# KiCad board ButterStick.kicad_pcb (continued)
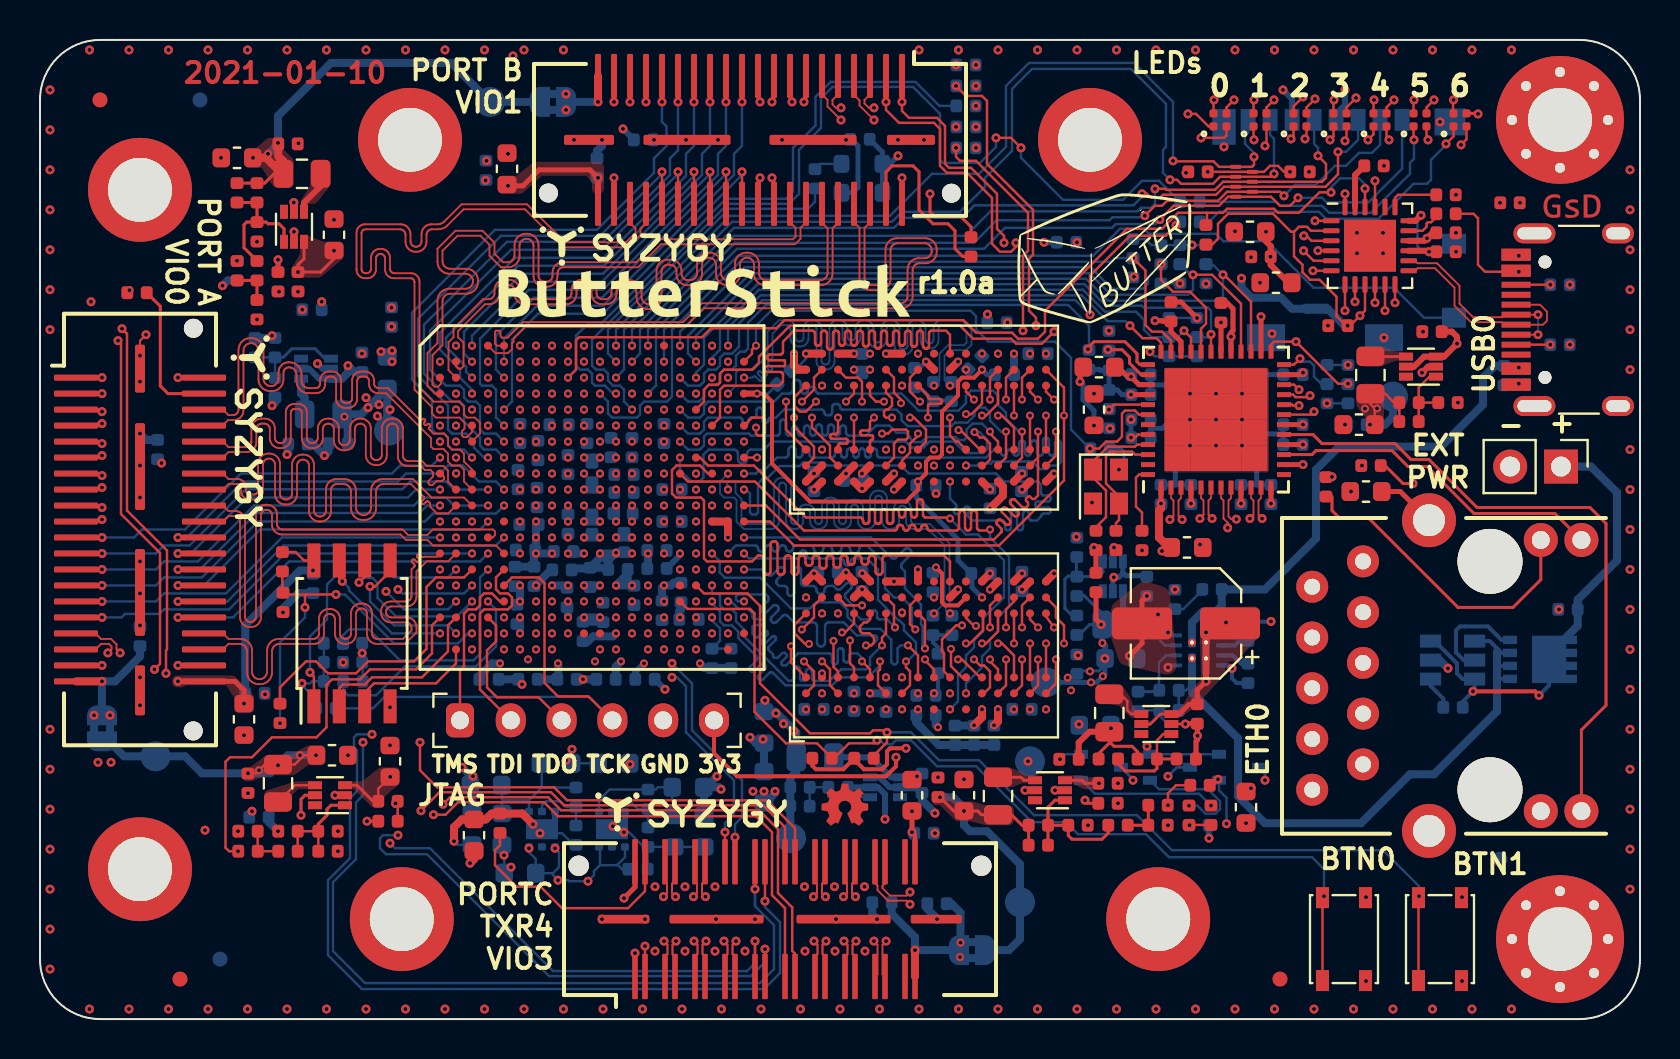
[diagram p0: board, top side]
## Nets (continued)
Net-(C166-Pad1): C166.1 C167.1 J7.1 Q4.3 U19.3 U19.6
Net-(C167-Pad2): C167.2 U19.1
Net-(CON1-Pad1): CON1.1 FB7.2
Net-(CON1-Pad12): CON1.12 R31.2
Net-(CON1-Pad13): CON1.13 U2.15
Net-(CON1-Pad14): CON1.14 R32.1
Net-(CON1-Pad15): CON1.15 U2.17
Net-(D1-Pad1): D1.1 R35.2
Net-(D2-Pad1): D2.1 R36.2
Net-(D3-Pad1): D3.1 R38.2
Net-(D4-Pad1): D4.1 R39.2
Net-(D5-Pad1): D5.1 R41.2
Net-(D6-Pad1): D6.1 R42.2
Net-(D7-Pad1): D7.1 R44.2
Net-(J1-PadA5): J1.A5 R7.1
Net-(J1-PadB5): J1.B5 R6.1
Net-(L3-Pad1): L3.1 U7.4
Net-(L4-Pad1): L4.1 U8.4
Net-(L5-Pad1): L5.1 U9.4
Net-(L6-Pad1): L6.1 U10.4
Net-(L7-Pad1): L7.1 U13.4
Net-(L8-Pad1): L8.1 U14.4
Net-(L9-Pad1): L9.1 U15.4
Net-(L10-Pad1): L10.1 U6.4
Net-(Q4-Pad1): Q4.1 U19.5
Net-(R4-Pad2): R4.2 U1.19
Net-(R5-Pad1): R5.1 U1.17
Net-(R30-Pad1): R30.1 U2.48
Net-(R52-Pad2): R52.2 U4.R3
Net-(R54-Pad1): R54.1 X1.3
Net-(R60-Pad1): R60.1 R73.2 U16.2
Net-(R68-Pad1): R68.1 U11.L8
Net-(R72-Pad1): R72.1 U12.L8
Net-(R74-Pad1): R74.1 R90.2 U17.2
Net-(R91-Pad1): R91.1 R92.2 U18.5
Net-(R95-Pad1): R95.1 R96.2 U18.4
Net-(R97-Pad2): R97.2 U18.10

Pads without a net: CON1 11; H1 1; H2 1; J1 A8 B8; J3 37 38; J4 37 38; J5 37 38; U1 20; U2 13 43 47; U4 A15 M5 T16 V3 W10 W11 W20 Y3 Y19; U6 6; U7 6; U8 6; U9 6; U10 6; U11 G8 J1 J9 L1 L9; U12 G8 J1 J9 L1 L9; U13 6; U14 6; U15 6; U16 5; U17 5

## Via types
v1: diameter 0.45, hole 0.2, Top to Bottom, 629 vias
v2: diameter 0.4, hole 0.2, Top to Bottom, 534 vias

## Routing (per net, layer and track width the routed paths; a pad name or vN(x,y) marks a point on that pad's centre or on a via; arc(x,y) is an arc through that point)
+1V2: length 55.8
  Top w0.12: v1(66.5,29.75) C83.1 66.74,30.56 66.52,30.78 L5.2 67.26,31.29 67.7,30.85 R63.2 C80.1
  Top w0.25: U2.14 v1(63.15,27.75) ; v1(63.15,29.75) U2.18 ; v1(63.15,32.35) 63.05,32.25 U2.23 ; U2.4 v1(57.55,25.8) ; 53.78,32.75 54.38,32.15 v1(54.55,32.15) 54.95,31.75 U2.39 ; U2.26 v1(61.05,35.15) ; U2.9 v1(60.05,25.8) ; U2.30 v1(59.05,34.86)
  In3.Cu w0.4: 58.8,25.8 v1(60.05,25.8) ; 58.8,25.8 58.8,27.45 59.1,27.75 v1(63.15,27.75) 65.15,27.75 66.5,29.1 66.5,29.3 ; 58.8,25.8 v1(57.55,25.8) ; v1(61.05,35.15) 61.05,34.8 60.75,34.5 ; 66.5,29.3 66.5,30.21 v2(66.85,30.56) ; 66.5,29.3 66.5,30.3 v2(66.25,30.55) ; 66.5,29.3 v1(66.5,29.75) ; 66.5,29.3 66,28.8 64.65,28.8 63.7,29.75 v1(63.15,29.75) 61.55,29.75 60.6,30.7 ; 60.75,34.5 60.38,34.86 v1(59.05,34.86) ; 60.75,34.5 60.75,33.55 61.95,32.35 ; v1(54.55,32.15) 55.4,32.15 56.85,30.7 60.6,30.7 ; 60.6,30.7 60.6,30.9 61.95,32.25 61.95,32.35 ; 61.95,32.35 v1(63.15,32.35)
  Bottom w0.12: v1(63.15,32.35) 63.13,32.33 C14.1
  Bottom w0.15: C13.1 54.56,32.16 v1(54.55,32.15) ; C86.1 67.25,29.75
  Bottom w0.4: TP7.1 67.65,30.15 67.25,29.75 v1(66.5,29.75)
+2V5: length 33.3
  In4.Cu w0.12: v2(31.2,29.7) 30.8,29.3 24.4,29.3 v2(24,29.7) ; v2(31.2,23.3) 30.8,23.7 24.4,23.7 v2(24,23.3)
  Bottom w0.12: C31.1 29.1,7.5 28.88,7.72 ; 28,7.7 27.7,7.4 27.7,7.2 v1(27.4,6.9) 26.45,6.9 26.4,6.95 v1(25.9,6.95) 25.65,7.2 25.65,7.3 ; 28,7.7 28,8.6 ; 28,7.7 28.85,7.7 28.88,7.72 ; v1(25.75,8.55) 25.95,8.35 25.95,7.6 25.65,7.3 ; 27.99,8.65 28,8.66 ; 29.25,8.6 29.25,8.1 28.88,7.72 ; 25.65,7.3 C55.1 24.79,8.01 24.45,8.35 v1(24.45,8.55)
  Bottom w0.4: TP1.1 37.51,9.08 R58.2 C54.1 37.51,12.06 37.81,12.36 L10.2 37.81,14.34 36.76,15.39 FB1.1 36.2,15.9 v1(36.25,15.95)
  vias: v1(36.8,15.3) v1(37.18,14.77) v1(37.7,14.4)
+3V3: length 90.7
  Top w0.12: v1(23.4,41.7) 23.35,41.75 C111.1 ; C70.1 v1(63.45,42.4) ; v1(57.3,42.35) 57.35,42.4 C66.1 ; R45.1 12.78,23.37 13.2,22.95 U5.8
  Top w0.15: R32.2 v1(66.1,27.7) ; 52.91,13 C79.1 52.93,13.28 53.5,13.85 ; 53.55,14.53 v1(53.55,14.55) 53.55,13.9 53.5,13.85 ; v1(60.55,11.55) 60.39,11.39 C72.1 ; 53.5,13.85 53.7,13.65 54.6,13.65 54.88,13.37 R61.2 54.88,13.2 ; C67.1 v1(73,40.85)
  Top w0.2: J6.6 33.7,13.3 34.85,12.15 42.3,12.15 42.8,12.65 v1(42.8,13.1) ; J5.40 43.75,9.2 v1(43.6,9.35) ; J4.40 v1(27.9,42.1) ; C118.1 v1(43.6,10.4)
  Top w0.25: v1(10.2,15.79) 10.2,16.45 9.75,16.9 J3.40 v1(6.9,16.9) ; v1(27.9,42.1) 27.5,42.5 24.95,42.5 24.15,41.7 v1(23.4,41.7) ; v1(63.15,28.75) U2.16 ; U2.12 v1(61.55,25.8) ; U2.1 v1(56.05,25.8) ; U2.34 57.05,33.9 56.55,34.4 C11.1 56.13,34.91 56.1,34.95 v1(55.75,34.95) ; U2.40 v1(54.55,31.25) ; v1(43.6,9.35) v1(43.6,10.4)
  Top w0.3: U1.16 69.22,38.95 v1(69.35,39.07) 69.62,39.35 C52.1 ; v1(56.1,23.42) 56.28,23.6 C65.1 ; FB5.1 v1(61,36.85) ; C85.1 51.94,13.83 52.48,14.38 L4.2
  Top w0.4: v1(56.05,25.8) 56.05,25.55 55.95,25.45 55.95,24.1 56.45,23.6 C65.1
  In3.Cu w0.4: v1(16.11,18.31) 16.11,15.66 14.85,14.4 12.95,14.4 12.45,13.9 12.09,13.9 v1(10.2,15.79) ; v1(43.6,9.35) v1(43.6,10.4) 43.6,11 42.8,11.8 v1(42.8,13.1)
  In4.Cu w0.4: v1(23.4,41.7) 23.4,42.3 24.07,42.97 24.07,45.15 23.65,45.57 v1(23.65,48.2)
  Bottom w0.12: R46.1 v1(16.11,18.31) R48.1 16.14,17.82 R50.1 ; v1(64.35,30.81) R13.2 ; R16.2 56.46,33.16 R11.2 55.73,33.17 v1(55.5,33.4) ; 58.3,36.78 v1(58.3,36.8) ; R10.2 54.66,37.11 v1(54.7,37.15) ; R17.2 v1(57,36.81) ; 34.05,14.95 J6.6
  Bottom w0.25: v1(54.55,31.25) 54.1,31.25 53.87,31.48 R8.2 R9.2 53.01,32.46 52.97,32.51 R19.2 ; X1.4 42.5,42.8 v1(42.9,43.2) ; X1.4 X1.1 ; X1.4 42.12,43.38 C151.1 ; C9.1 v1(63.15,28.75)
  Bottom w0.3: v1(58.45,9.05) 58.44,9.06 C153.1 ; TP6.1 v1(49.4,12.9)
  Bottom w0.4: v1(10.6,10.4) 10.47,10.26 C156.1 ; C152.1 9.39,36.96 v1(9.12,36.7) ; v1(13.65,22.45) 13,22.45 10.27,19.71 C71.1 10.27,16.11 10.2,16.05 v1(10.2,15.79) ; C154.1 v1(48.38,34.85) ; v2(26.4,23.3) v2(27.2,23.3)
  vias: v1(13.11,35.5) v1(64.6,27.13) v2(28,29.7) v2(28.8,29.7)
+5V: length 283.6
  Top w0.12: 55.81,15.06 56.01,15.26 U8.3 ; v1(17.51,12.12) 16.92,11.53 C98.1 ; J4.2 v1(43.1,42.1) ; J3.2 v1(6.9,32.1)
  Top w0.15: C98.1 16.65,10.9 15.85,11.7 U13.3 ; v1(14.7,38.45) 14.7,38.05 14.03,37.38 v1(12.9,37.38) 12.9,37.75 13.2,38.05 U14.3 ; C112.1 52.25,11.8 52.1,11.95 U15.3 ; U8.5 55.51,14.76 55.81,15.06
  Top w0.25: J5.2 29.75,6.6 v1(29.2,6.05) ; U8.3 56.97,15.26 57.45,15.75 C76.1 57.87,16.46 v1(58.3,16.9)
  Top w0.3: C77.1 70.6,34.4 70.85,34.15 v1(70.85,33.8) 70.2,33.15 U9.3 69.2,33.15 68.7,32.65 U9.5 ; v1(58.3,16.9) v1(58.3,19.35) U18.8
  Top w0.4: C117.1 21.7,8 v1(21.5,7.8)
  In3.Cu w0.3: v1(58.3,19.35) 58.8,19.85 ; 58.8,19.85 v1(59.3,19.85) ; 58.8,19.85 58.2,20.45 58.2,22.4
  In3.Cu w0.4: 14.7,37.25 v1(14.7,38.45) 13.8,39.35 13.8,40.25 14.4,40.85 19.9,40.85 21.7,42.65 21.7,46.3 22.55,47.15 43.55,47.15 44.1,46.6 44.1,45.35 43.75,45 42.65,45 42.05,44.4 42.05,42.75 42.7,42.1 v1(43.1,42.1) ; 14.7,37.25 13.9,37.25 13.77,37.38 v1(12.9,37.38) ; 14.7,37.25 15.35,36.6 15.35,34.15 ; 5.7,35.75 11.3,35.75 12.4,34.65 12.4,34.1 12.85,33.65 14.85,33.65 15.35,34.15 ; 5.7,35.75 6.3,35.15 6.3,32.7 v1(6.9,32.1) ; 5.7,35.75 3.9,35.75 1.5,33.35 1.5,13.25 1.9,12.85 v1(3.55,12.85) ; 67.03,26.27 69.3,28.55 69.3,30.75 70.55,32 70.55,33.5 v1(70.85,33.8) ; 67.03,26.27 65.65,24.9 64,24.9 63,23.9 61.5,23.9 60,22.4 55.56,22.4 55.34,22.19 54.19,22.19 54.11,22.11 v1(53.69,22.11) ; 67.03,26.27 67.03,24.22 68.4,22.85 68.4,12.8 62.7,7.1 58.9,7.1 57.65,8.35 53.3,8.35 52.7,7.75 51.75,7.75 ; 25.95,6.05 25.95,3.25 27.35,1.85 45.45,1.85 45.95,2.35 50.25,2.35 51.75,3.85 51.75,7.75 ; 46.95,2.35 46.95,4.8 46.1,5.65 46.1,8.8 44.75,10.15 v1(44.75,10.3) ; v1(29.2,6.05) 22.2,6.05 20.85,7.4 20.85,8.2 21.1,8.2 v1(21.5,7.8) ; v1(15.4,32.7) 15.35,32.75 15.35,34.15 ; v1(52.95,11.8) 52,11.8 51.45,11.25 51.45,8.05 51.75,7.75 ; U18.1 v1(58.3,19.35)
  In5.Cu w0.4: v1(2.9,12.85) v1(3.55,12.85) 7.4,12.85 12.65,7.6 15,7.6 15.65,8.25 18.55,8.25 ; 18.55,8.25 18.55,9.65 18.4,9.8 18.4,11.05 17.51,11.94 v1(17.51,12.12) ; 18.55,8.25 20,8.25 20.45,7.8 v1(21.5,7.8)
  Bottom w0.12: 55.34,22.17 55.34,22.19
  Bottom w0.15: 54.14,22.31 U7.3
  Bottom w0.25: U7.3 54.14,22.31 53.94,22.11 v1(53.69,22.11) 53.64,22.06 U7.5 ; 55.34,22.19 54.3,22.19 54.14,22.34
  Bottom w0.3: U18.8 U18.1 v1(58.3,16.9) ; U10.5 13.45,32.55 13.95,32.05 U10.3 ; U6.3 41.98,12.1 42.48,11.6 U6.5
  Bottom w0.4: U18.1 U18.8 ; U18.8 v1(58.3,19.35) ; U10.3 15.1,32.05 15.4,32.35 v1(15.4,32.7) 15.72,32.38 C78.1 ; U6.5 43.81,11.6 C29.1 44.1,10.95 v1(44.75,10.3)
/FPGA-MISC/VDDIO_EN: length 149.6
  Top w0.15: U13.5 13.25,11.2 13.05,11 v1(13.05,10.2) ; v1(52.25,10.95) 52.4,10.8 R86.2 ; R76.2 v1(16.35,9.9)
  Top w0.25: U14.5 12.7,40.86 v1(12.69,40.87) ; R81.2 v1(11.9,38) ; U15.5 v1(49.25,11.45)
  In2.Cu w0.12: v2(28.8,30.5) 28.4,30.1 27.03,30.1 26.82,29.9 26.82,29.47 26.65,29.3 23.05,29.3 22.8,29.05 22.8,28.7 22.6,28.5 22.22,28.5 21.8,28.92 21.8,29.35 21.05,30.1 20.62,30.1 20.4,30.32 20.4,30.65 19.6,31.45 18.8,31.45 17.88,32.37 17.08,32.37 16.75,32.7 16.1,32.7 14.05,34.75 11.3,34.75 11,34.45 10.6,34.45 10.4,34.65 10.4,37.25
  In2.Cu w0.15: v1(12.69,40.87) 13.1,40.46 13.1,38.35 12.75,38 v1(11.9,38) 11.15,37.25 3.9,37.25 v1(2.55,35.9) ; v1(13.05,10.2) 15.3,10.2 15.6,9.9 v1(16.35,9.9) 16.35,8.45 15.4,7.5 10.2,7.5 v1(8.25,9.45)
  In5.Cu w0.15: v1(2.55,35.9) 1.35,34.7 1.35,12.2 2.7,10.85 6.85,10.85 v1(8.25,9.45) 8.45,9.25 8.45,8 15.2,1.25 26.55,1.25 27.1,1.8 48.15,1.8 51.75,5.4 51.75,9.7 52.25,10.2 v1(52.25,10.95) 51.55,10.95 51.15,10.55 49.6,10.55 49.25,10.9 v1(49.25,11.45)
/sheetFPGA/VDDA: length 8
  In3.Cu w0.4: v2(24,20.9) v2(24,21.7) ; v2(31.2,21.7) v2(31.2,20.9)
  Bottom w0.3: v1(31.25,16.5) 30.75,17 C129.1
  Bottom w0.4: C59.1 33.2,11.59 FB2.2 ; C125.1 31.1,21.6 v2(31.2,21.7) 31.55,21.7 31.69,21.83 C62.1 ; FB2.2 33.95,11.6 v1(34.05,11.5) ; FB2.2 33.3,11.6 v1(33.85,12.15) ; v2(24,20.9) v2(24,21.7)
/sheetFPGA/VDDAUXA: length 16.2
  In3.Cu w0.4: v2(32.8,20.1) v2(33.6,20.1) ; v2(28,20.1) v2(27.2,20.1)
  In4.Cu w0.12: v1(36.15,14) 35.3,14.85 35.3,16.1 34,17.4 34,19.8 33.7,20.1 v2(33.6,20.1)
  Bottom w0.12: C126.1 C122.1 34,18.93 34,19.55 33.6,19.95 v2(33.6,20.1)
  Bottom w0.4: C124.1 28.13,19.88 C60.1 28.15,19.95 v2(28,20.1) v2(27.2,20.1) ; FB1.2 35.79,13.81 v1(35.5,14.1) ; FB1.2 36.2,13.95 v1(36.15,14) ; FB1.2 C58.1
/sheetFPGA/VDDRX: length 22.4
  In3.Cu w0.4: v2(29.6,21.7) v2(28.8,21.7) ; v2(26.4,21.7) v2(25.6,21.7)
  In4.Cu w0.12: 24.85,13.5 25.4,12.95 v1(26.3,12.95) ; 24.85,13.5 v1(26.6,13.5) ; 24.85,13.5 24.85,16.4 25.45,17 ; 25.45,17 25.2,17.25 25.2,21.2 25.6,21.6 v2(25.6,21.7) ; 25.45,17 v1(27.15,17)
  Bottom w0.12: v1(26.6,13.5) 26.59,13.49 FB3.2 ; v1(26.3,12.95) 26.45,12.8 FB3.2 ; FB3.2 28.01,12.8
  Bottom w0.4: C136.1 v1(27.15,17) 26.88,17 ; v2(26.4,21.7) v2(25.6,21.7) ; 29.38,22.5 29.38,22.28 v2(28.8,21.7) v2(29.6,21.7) 29.38,21.91 29.38,22.5
/sheetFPGA/VDDTX: length 23.6
  In3.Cu w0.4: v2(28,21.7) v2(27.2,21.7)
  In4.Cu w0.12: v1(21.1,12.6) 21.75,12.6 22.3,13.15 ; v1(21.65,12.15) 22.3,12.8 22.3,13.15 ; 22.3,13.15 22.3,15.7 23.35,16.75 v1(24.1,16.75) 22.95,16.75 22,17.7 22,19.7 23.1,20.8 23.1,21.9 23.5,22.3 24.3,22.3 24.8,21.8 v2(24.8,21.7)
  Bottom w0.4: v1(21.1,12.6) 21.51,12.19 FB4.2 ; v1(21.65,12.15) 21.51,12.01 FB4.2 ; v2(28,21.7) v2(27.2,21.7) ; 22.99,17 23.97,17 ; 25.62,22.55 24.8,21.73 v2(24.8,21.7) ; FB4.2 21.6,11.61 C141.1
  vias: v2(30.4,21.7)
GND: length 169.4
  Top w0.1: 5,32.31 5,33.95 v1(5.3,34.25)
  Top w0.12: v1(52.7,23.6) 52.8,23.5 C19.1 ; v1(58.38,42.4) 61.2,42.4 61.5,42.7 61.9,42.7 62.2,42.4 v1(62.5,42.4) ; Y1.2 v1(52.6,25.85) ; C103.2 v1(17.5,13.7) ; v1(17.78,10.79) 17.89,10.69 R76.1 ; 70.88,30.85 v1(70.9,30.85) ; C18.1 53.8,23.5 v1(53.7,23.6) ; C83.2 v1(65.25,29.75) ; C101.2 v1(15.4,13.2) ; U5.4 17.5,15.6 v1(17.5,15.6) ; v1(23.4,43.3) 23.36,43.34 C111.2 ; C99.2 v1(9.9,9.4) ; R40.1 57.49,9.71 v1(57.47,9.7) 57.46,9.71 R43.1 ; C104.2 v1(10.2,14.2) ; U8.2 v1(57.26,14.76) ; C102.2 v1(10.4,11.3) ; R30.2 v1(55.1,23.45) ; C1.2 v1(64.4,34.7) ; v1(56.4,10.7) 56.4,11.3 56.8,11.7 R37.1 ; 60.56,38.12 v1(60.55,38.12) ; C2.2 v1(67.2,42.7) ; 69.12,34.4 v1(69.15,34.4) ; R79.1 v1(11.9,9.4)
  Top w0.15: 52.38,9.7 v1(52.4,9.7) ; 12.91,43.88 12.91,43.84 v1(12.92,43.83) ; v1(11.95,36.4) 11.94,36.41 R81.1 ; v1(43.85,12.15) 43.69,11.99 C118.2 ; 53.88,11.8 v1(53.9,11.8) ; R2.2 46.55,39.65 46.05,40.15 44.75,40.15 44.5,40.4 v1(44.5,41.3) ; 53.88,10.8 v1(53.9,10.8) ; C115.2 v1(46.2,12) ; C72.2 v1(60.3,9.8) ; C110.2 v1(14.7,40) ; R84.1 v1(10.85,38.9) ; C67.2 v1(74,40.85)
  Top w0.2: v2(4.47,36.47) 4.36,36.36 R1.2
  Top w0.25: C12.2 59.37,35.83 59.65,35.55 59.65,34.45 59.55,34.35 v1(59.55,34.15) U2.29 ; C11.2 57.05,35.88 v1(57.85,35.08) ; U13.2 v1(14.75,11.2) ; v1(57.26,14.76) 57.28,14.78 C76.2 57.87,13.96 57.8,13.9 R62.1 ; C10.1 v1(52.7,31.3) ; v1(55.34,21.17) 55.1,20.93 C165.2 55.1,18.8 v1(54.47,18.17) ; C148.2 C19.1 ; U14.2 v1(12.7,39.4) ; U15.2 v1(50.75,11.45)
  Top w0.3: v1(69.1,32.35) 69.4,32.65 U9.2 ; C65.2 58.14,23.61 v1(58,23.75)
  Top w0.4: v2(47.1,15.5) 47.1,15.1 v2(46.7,14.7) ; v1(24.65,9.75) 24.12,10.28 R3.2 22.59,10.28 22.29,9.99 C117.2 21.09,9.99 20.7,9.6 v1(20.7,8.9) ; U12.D8 v2(41.1,21.5) U12.E8 ; U11.P1 v2(49.1,27.3) ; U11.T1 v2(50.7,27.3) ; U12.F9 U12.G9 ; U11.B9 v2(38.3,33.3) ; U11.J8 v2(44.3,32.9) ; U11.D1 41.05,26.55 v2(41.1,26.55) 41.15,26.55 U11.E1 ; v2(47.5,26.5) U11.M1 ; U12.A9 v2(38.7,22.3) U12.B9 ; v2(42.7,26.5) U11.G1 ; v2(41.1,27.3) U11.E2 ; U11.B1 v2(38.7,26.5) ; U12.T9 v2(50.7,22.3) ; U12.M9 v2(47.5,22.3) ; U11.G9 v2(42.3,33.3) ; U12.P9 v2(49.1,22.3)
  Bottom w0.12: v2(38.3,33.3) 38.3,33.05 37.69,32.44 C121.2 ; C84.2 17.36,33.16 17.4,33.2 ; v1(29.2,9.35) 29.45,9.35 30.19,8.61 R73.1 ; R47.2 R49.2 R51.2 13.6,16.9 13.5,16.8 v1(13.1,16.8) 13.1,16.7 13.81,15.98 R55.2 ; J2.9 61.4,34.1 v1(61.6,34.3) ; J2.9 70.45,44.9 ; v1(57.26,14.76) 56.38,14.76 55.97,15.18 C143.2 54.94,15.45 R96.1 ; R7.2 v1(76.5,33.75) ; v1(65.4,32.73) R24.2 ; v1(54.47,18.17) 54.66,17.99 54.98,17.99 ; 31.15,14.96 J6.5 ; R73.1 31.7,8.61 C41.2 C59.2 ; R73.1 30.38,8.6 30.38,7.5 ; v2(30.4,23.3) 30.31,23.21 30.31,22.4 ; R22.2 55.26,39.03 55.56,38.73 R29.2 R27.2 v1(57.6,38.73) R26.2 ; U18.3 56.5,17.7 v1(56.4,17.6) ; C141.2 20.89,8.71 v1(20.7,8.9) ; R90.1 26.69,8.71 26.1,9.3 v1(25,9.3) ; v1(57.85,35.08) 57.84,35.09 R23.2 ; R6.2 v1(76.5,36.75) ; Q2.2 51.25,13.25 v1(51,13) ; 70.75,38.47 70.75,38.45 v1(70.8,38.4) ; v1(23.55,7.6) 23.25,7.3 C55.2 23.21,8.19 v1(23.2,8.2) ; U18.6 56.55,19.2 v1(56.4,19.35) ; Q1.2 Q3.2 55.5,13.5 v1(55.35,13.65) ; C166.2 v1(75.95,20.5) ; 51.82,24.12 v1(51.82,24.13) ; R21.2 v1(53.45,34.45) ; C78.2 v1(16.1,33.3)
  Bottom w0.15: v1(55.34,21.17) 55.34,21.16 ; U7.2 53.64,23.51 ; R18.1 54.05,28.55 54.2,28.4 54.2,27.75 v1(53.95,27.5)
  Bottom w0.2: 51.84,18.36 51.84,18.26 v1(51.9,18.2) ; U18.9 59.6,19.2 60.28,19.88 R97.1 61.53,19.88 v1(61.55,19.9) ; 43.68,32.58 43.99,32.58 v2(44.3,32.9) ; v2(44.7,16.3) 44.9,16.5 C146.2 ; C144.2 59.84,16.81 59.6,17.05 v1(59.6,17.55) 59.45,17.7 U18.12
  Bottom w0.25: C16.2 56.76,26.73 ; 56.76,26.73 56.76,27.96 v1(57.5,28.7) ; 56.76,26.73 C4.2 ; v1(60.1,30) 60.81,29.28 62.16,29.28 ; R20.2 53.49,29.56 v1(53.5,29.55) ; C5.2 60.84,26.73 ; 60.84,26.73 C17.2 ; 60.84,26.73 60.84,27.96 v1(60.1,28.7) ; 55.53,31.73 C13.2 ; 55.53,31.73 C7.2 ; 55.53,31.73 56.22,31.73 56.65,31.3 v1(57.5,31.3) ; v1(53.7,23.6) 53.64,23.54 U7.2 ; 62.16,29.28 C9.2 ; 62.16,29.28 C15.2 ; 55.53,29.56 56.12,29.56 56.55,30 v1(57.5,30) ; 55.53,29.56 C8.1 ; 55.53,29.56 C6.1 ; v1(60.1,31.3) 61.05,32.25 C14.2 ; X1.2 40.62,41.35 40.9,41.62 40.9,43.7 40.6,44 v1(40.3,44) ; C63.2 44.7,9.3
  Bottom w0.3: J2.6 62.6,46.04 v1(62.15,46.5) ; v2(44.7,21.1) 44.65,21.15 R72.2 ; v1(42.25,10) 42.25,11.25 41.9,11.6 U6.2 40.38,11.6 ; C142.2 73.85,31.71 v1(73.94,31.8) ; C129.2 29.76,17.36 v2(30.2,17.8) ; U17.7 25.35,9.75 25.6,9.75 25.75,9.9 U17.3 ; U10.2 14.12,32.55 v1(13.88,32.8) ; C161.2 v1(17.58,34.65) ; C155.2 v1(50.2,38.87) ; v1(44.8,26.3) 44.78,26.31 44.78,26.7 ; v1(22.32,42.95) 22.31,42.96 C158.2 ; U16.3 29.25,9.95 29.1,9.8 28.9,9.8 U16.7
  Bottom w0.4: v2(28.8,24.9) v2(28.8,25.7) ; v1(28.1,44) 28.1,43.7 27.85,43.45 C53.2 ; v2(24,20.1) v2(24,19.3) ; 27.7,26.5 27.6,26.6 C43.2 ; 27.7,26.5 v2(27.2,26.5) ; 27.7,26.5 v2(28,26.5) ; v2(24.8,23.3) v2(24.8,24.1) v2(24.8,24.9) ; v2(24.8,23.3) 24.7,23.2 C139.2 C123.2 ; v2(24.8,23.3) v2(25.6,23.3) ; v2(26.4,20.9) v2(26.4,20.1) ; v1(41.85,5) 41.62,5.23 41.62,5.82 ; C62.2 32.05,20.5 31.97,20.41 C128.2 ; C30.2 12.92,21.31 12.15,20.55 v1(12.15,20.35) ; 36.3,10.9 36.21,10.81 C58.2 ; 22.01,17 22.01,17.21 22.6,17.8 v2(23,17.8) ; v1(47.38,35.27) 47.37,35.26 C154.2 ; C126.2 C122.2 33.24,17.56 v2(33,17.8) ; C87.2 14.42,28.39 v1(14.22,28.2) 13.65,28.77 C157.2 ; 24.94,17 25.91,17 25.91,17.78 v2(25.9,17.8) ; v1(11.9,9.4) 11.44,9.86 C156.2 ; v2(28,23.3) 28.41,22.88 C134.2 ; v2(28,23.3) 28.76,23.3 v2(28.8,23.34) ; v2(28,23.3) 28,23.08 C133.2 ; U19.2 69.99,17.96 v1(70.4,17.55) ; v1(11.25,16.25) 11.23,16.26 C71.2 ; C133.2 28.33,22.58 C134.2 ; C133.2 27.47,22.55 26.59,22.55 ; C21.2 48.7,32.26 v2(48.7,33.3) ; v2(41.5,32.5) v2(40.7,32.5) ; v1(36.75,11.4) 36.75,11.3 36.35,10.9 ; v2(26.4,25.7) v2(26.4,24.9) ; C56.2 v1(14.08,35.9) ; 44.78,15.2 44.78,14.71 v2(44.9,14.6) ; v1(44.85,5) 44.85,5.02 44.37,5.51 C164.2 ; C159.2 5.31,28.98 v1(5,29.3) ; v2(41.1,26.55) v2(41.1,27.3) ; v2(28.8,23.34) 28.84,23.3 v2(29.6,23.3) ; v2(28.8,23.34) 28.41,22.96 C134.2 ; v2(30.4,23.3) 30.4,22.58 C120.2 ; v2(29.05,17.9) 28.78,17.63 28.78,17 ; R66.1 11.75,30.85 v1(11.6,30.7) ; v2(28.8,19.3) 28.65,19.15 27.65,19.15 27.41,18.91 C124.2 ; 45.7,14.68 R70.2 ; C95.2 42.26,16.3 v2(41.5,16.3) ; J2.9 v1(59.2,43.65) ; v2(27.2,24.9) 27.31,24.9 27.6,25.18 27.88,24.9 v2(28,24.9) v2(27.2,24.9)
  vias: v1(0.5,46.5) v1(0.5,44.5) v1(0.5,42.5) v1(0.5,40.5) v1(0.5,38.5) v1(0.5,36.5) v1(0.5,34.5) v1(0.5,14.5) v1(0.5,12.5) v1(0.5,10.5) v1(0.5,8.5) v1(0.5,6.5) v1(0.5,4.5) v1(0.5,2.5) v1(2.47,48.5) v1(2.47,0.5) v1(4.45,48.5) v1(4.45,0.5) v1(5,33.2) v1(5,31.9) v1(5,27.7) v1(5,26.1) v1(5,22.9) v1(5,21.3) v1(5,19.7) v1(5,17.1) v1(5,15.7) v1(6.42,48.5) v1(6.42,0.5) v1(8.4,48.5) v1(8.4,0.5) v1(9.05,43.1) v1(9.85,37.95) v1(10.38,48.5) v1(10.38,0.5) v1(12.35,48.5) v1(12.35,0.5) v1(12.9,36.4) v1(14.33,48.5) v1(14.33,0.5) v1(16.3,48.5) v1(16.3,0.5) v1(17.05,33.4) v1(17.6,33.45) v1(17.6,32.9) v1(18.28,48.5) v1(18.28,0.5) v1(20.25,48.5) v1(20.25,0.5) v1(22.22,48.5) v1(22.22,0.5) v1(24.2,48.5) v1(24.2,0.5) v1(26.18,48.5) v1(26.18,0.5) v1(26.7,44) v1(28.1,5) v1(28.15,0.5) v1(28.65,9.65) v1(29.5,12.75) v1(30.12,0.5) v1(30.25,5) v1(30.7,44) v1(30.75,6.62) v1(30.75,3.4) v1(32.1,0.5) v1(32.3,44) v1(32.25,6.62) v1(32.25,3.4) v1(33.75,6.62) v1(33.75,3.4) v1(33.8,5) v1(33.9,44) v1(34.07,0.5) v1(35.25,3.4) v1(35.65,11.4) v1(35.75,5) v1(36.05,0.5) v1(36.2,11.4) v1(37.1,44) v1(38.03,0.5) v1(38.22,6.62) v1(38.25,3.4) v1(39.72,6.62) v1(39.75,3.4) v1(39.8,5) v1(40,0.5) v1(41.22,6.62) v1(41.25,3.4) v1(41.97,0.5) v1(42.9,44) v1(43.95,48.5) v1(43.95,0.5) v1(44.2,44) v1(44.75,9.3) v1(44.9,12.1) v1(45.93,48.5) v1(45.93,0.5) v1(47.9,48.5) v1(47.9,0.5) v1(49.88,48.5) v1(49.88,0.5) v1(51.85,48.5) v1(51.85,0.5) v1(51.95,14.75) v1(53.82,48.5) v1(53.82,0.5) v1(55.8,48.5) v1(55.8,0.5) v1(55.9,20.25) v1(56.75,21.5) v1(57.78,48.5) v1(57.78,0.5) v1(57.88,14.17) v1(58.8,31.3) v1(58.8,30) v1(58.8,28.7) v1(59.75,48.5) v1(59.75,39.42) v1(59.75,0.5) v1(61.72,48.5) v1(61.72,0.5) v1(63.7,48.5) v1(63.7,0.5) v1(65.55,26.4) v1(65.68,48.5) v1(65.68,0.5) v1(65.85,39.35) v1(65.85,38.32) v1(66.3,6.1) v1(66.3,1.9) v1(67.15,39.35) v1(67.15,38.32) v1(67.2,34.1) v1(67.65,48.5) v1(67.65,0.5) v1(69.62,48.5) v1(69.62,0.5) v1(70,44.9) v1(70.8,41.25) v1(70.8,39.35) v1(71.1,6.1) v1(71.1,1.9) v1(71.6,48.5) v1(71.6,0.5) v1(73.57,48.5) v1(73.57,0.5) v1(73.94,38.2) v1(79.5,42.5) v1(79.5,40.5) v1(79.5,38.5) v1(79.5,36.5) v1(79.5,34.5) v1(79.5,32.5) v1(79.5,28.5) v1(79.5,26.5) v1(79.5,24.5) v1(79.5,22.5) v1(79.5,20.5) v1(79.5,18.5) v1(79.5,16.5) v1(79.5,14.5) v1(79.5,12.5) v1(79.5,10.5) v1(79.5,8.5) v1(79.5,6.5) v2(20.81,27.31) v2(20.8,24.9) v2(22.4,31.3) v2(22.4,28.9) v2(23.2,20.1) v2(24,28.9) v2(24,26.5) v2(24,24.1) v2(24.4,18) v2(24.8,32.9) v2(24.8,29.7) v2(24.8,28.9) v2(24.8,27.3) v2(24.8,26.5) v2(24.8,20.9) v2(24.8,20.1) v2(24.8,19.3) v2(25.6,29.7) v2(25.6,28.9) v2(25.6,20.9) v2(25.6,20.1) v2(26.4,28.9) v2(26.4,27.3) v2(26.4,26.5) v2(27.2,28.9) v2(27.2,27.3) v2(27.2,25.7) v2(27.2,20.9) v2(27.75,17.9) v2(28,28.9) v2(28,27.3) v2(28,25.7) v2(28,20.9) v2(28.8,28.9) v2(28.8,27.3) v2(28.8,26.5) v2(28.8,20.9) v2(28.8,20.1) v2(29.6,29.7) v2(29.6,28.9) v2(29.6,20.9) v2(29.6,20.1) v2(30.4,32.9) v2(30.4,29.7) v2(30.4,28.9) v2(30.4,27.3) v2(30.4,26.5) v2(30.4,24.9) v2(30.4,24.1) v2(30.4,20.9) v2(30.4,20.1) v2(31.2,28.9) v2(31.2,26.5) v2(31.2,24.1) v2(31.2,20.1) v2(31.2,19.3) v2(32,24.9) v2(32,20.1) v2(32,19.3) v2(32.8,28.9) v2(34.4,32.1) v2(34.4,28.1) v2(34.4,22.5) v2(34.4,20.1) v2(34.4,19.3) v2(35.2,20.1) v2(39.1,28.5) v2(39.1,17.3) v2(39.1,15.5) v2(40.7,15.5) v2(41.5,15.5) v2(42.7,21.9) v2(43.1,15.5) v2(44.7,27.7) v2(47.1,33.3) v2(48.7,15.5) v2(50.3,33.3) v2(50.3,15.5)
VBUS_USB: length 36.2
  Top w0.12: 70.78,40.3 71.68,40.3 71.9,40.07 71.9,37.75 72.25,37.4 v1(73.94,37.4)
  In2.Cu w0.4: v1(73.94,32.6) v1(73.94,37.4)
  Bottom w0.3: C142.1 73.85,32.68 v1(73.94,32.6)
  Bottom w0.4: C142.1 72.74,32.68 72.15,32.1 72.15,30.75 70.05,28.65 64.95,28.65 63.8,27.5 63.8,24.05 61.25,21.5 R91.2 59.09,20.68 58.8,20.4 58.15,20.4 57.6,19.85 U18.7
/FPGA-DDR3L/A0: length 37
  Top w0.12: U12.N3 47.9,17.5 47.5,17.9 v2(47.5,18) ; U11.N3 47.9,28.9 47.5,29.3 v2(47.5,29.4)
  In5.Cu w0.12: v2(47.5,29.4) 47.5,28.6 47.9,28.2 47.9,23.65 48.15,23.4 48.15,20.9 47.9,20.65 47.9,19.4 47.5,19 v2(47.5,18)
  Bottom w0.12: v2(32,28.9) 32.4,28.5 33,28.5 33.2,28.7 33.2,29.15 33.35,29.3 35.45,29.3 35.55,29.2 36.85,29.2 36.88,29.2 36.92,29.21 36.94,29.23 36.97,29.26 36.99,29.28 37,29.32 37,29.35 37,29.85 37,29.88 37.01,29.92 37.03,29.94 37.06,29.97 37.08,29.99 37.12,30 37.15,30 37.18,30 37.22,29.99 37.24,29.97 37.27,29.94 37.29,29.92 37.3,29.88 37.3,29.85 37.3,29.35 37.3,29.32 37.31,29.28 37.33,29.26 37.36,29.23 37.38,29.21 37.42,29.2 37.45,29.2 37.48,29.2 37.52,29.21 37.54,29.23 37.57,29.26 37.59,29.28 37.6,29.32 37.6,29.35 37.6,29.5 37.6,29.53 37.61,29.57 37.63,29.59 37.66,29.62 37.68,29.64 37.72,29.65 37.75,29.65 37.78,29.65 37.82,29.64 37.84,29.62 37.87,29.59 37.89,29.57 37.9,29.53 37.9,29.5 37.9,29.35 37.9,29.32 37.91,29.28 37.93,29.26 37.96,29.23 37.98,29.21 38.02,29.2 38.05,29.2 38.08,29.2 38.12,29.21 38.14,29.23 38.17,29.26 38.19,29.28 38.2,29.32 38.2,29.35 38.2,29.55 38.2,29.58 38.21,29.62 38.23,29.64 38.26,29.67 38.28,29.69 38.32,29.7 38.35,29.7 38.38,29.7 38.42,29.69 38.44,29.67 38.47,29.64 38.49,29.62 38.5,29.58 38.5,29.55 38.5,29.35 38.5,29.32 38.51,29.28 38.53,29.26 38.56,29.23 38.58,29.21 38.62,29.2 38.65,29.2 38.68,29.2 38.72,29.21 38.74,29.23 38.77,29.26 38.79,29.28 38.8,29.32 38.8,29.35 38.8,29.6 38.8,29.63 38.81,29.67 38.83,29.69 38.86,29.72 38.88,29.74 38.92,29.75 38.95,29.75 38.98,29.75 39.02,29.74 39.04,29.72 39.07,29.69 39.09,29.67 39.1,29.63 39.1,29.6 39.1,29.35 39.1,29.32 39.11,29.28 39.13,29.26 39.16,29.23 39.18,29.21 39.22,29.2 39.25,29.2 39.28,29.2 39.32,29.21 39.34,29.23 39.37,29.26 39.39,29.28 39.4,29.32 39.4,29.35 39.4,29.6 39.4,29.63 39.41,29.67 39.43,29.69 39.46,29.72 39.48,29.74 39.52,29.75 39.55,29.75 39.58,29.75 39.62,29.74 39.64,29.72 39.67,29.69 39.69,29.67 39.7,29.63 39.7,29.6 39.7,29.35 39.7,29.32 39.71,29.28 39.73,29.26 39.76,29.23 39.78,29.21 39.82,29.2 39.85,29.2 39.88,29.2 39.92,29.21 39.94,29.23 39.97,29.26 39.99,29.28 40,29.32 40,29.35 40,29.55 40,29.58 40.01,29.62 40.03,29.64 40.06,29.67 40.08,29.69 40.12,29.7 40.15,29.7 40.18,29.7 40.22,29.69 40.24,29.67 40.27,29.64 40.29,29.62 40.3,29.58 40.3,29.55 40.3,29.35 40.3,29.32 40.31,29.28 40.33,29.26 40.36,29.23 40.38,29.21 40.42,29.2 40.42,29.2 41.3,29.2 41.8,29.7 42.47,29.7 42.82,29.35 43.28,29.35 43.5,29.12 43.5,29.07 43.7,28.87 44.07,28.87 44.32,29.12 45.78,29.12 45.93,28.97 46.2,28.97 46.32,29.1 46.32,29.5 46.62,29.8 47.1,29.8 v2(47.5,29.4)
/FPGA-DDR3L/A1: length 36.7
  Top w0.12: U11.P7 v2(48.7,30.2) ; U12.P7 v2(48.7,18.8)
  In2.Cu w0.12: v2(48.7,18.8) 48.9,18.8 49.5,19.4 49.5,20.35 48.7,21.15 v2(48.7,30.2)
  In5.Cu w0.12: v2(34.4,30.5) 34.55,30.5 35.2,31.15 35.2,31.55 35.7,32.05 35.8,32.05 37.5,33.75 39.75,33.75 40.3,34.3 42.75,34.3 42.93,34.12 46.12,34.12 46.16,34.12 46.19,34.11 46.22,34.09 46.24,34.07 46.26,34.04 46.27,34.01 46.28,33.97 46.28,33.67 46.28,33.64 46.29,33.61 46.31,33.58 46.33,33.56 46.36,33.54 46.39,33.53 46.43,33.52 46.46,33.53 46.49,33.54 46.52,33.56 46.54,33.58 46.56,33.61 46.57,33.64 46.57,33.67 46.57,33.97 46.58,34.01 46.59,34.04 46.61,34.07 46.63,34.09 46.66,34.11 46.69,34.12 46.72,34.12 46.76,34.12 46.79,34.11 46.82,34.09 46.84,34.07 46.86,34.04 46.87,34.01 46.88,33.97 46.88,33.92 46.88,33.89 46.89,33.86 46.91,33.83 46.93,33.81 46.96,33.79 46.99,33.78 47.03,33.77 47.06,33.78 47.09,33.79 47.12,33.81 47.14,33.83 47.16,33.86 47.17,33.89 47.18,33.92 47.18,33.97 47.18,34.01 47.19,34.04 47.21,34.07 47.23,34.09 47.26,34.11 47.29,34.12 47.32,34.12 47.47,34.12 47.65,33.95 47.65,33.75 47.5,33.6 47.5,32.45 47.62,32.32 47.65,32.3 47.68,32.29 47.71,32.28 47.75,32.28 47.78,32.29 47.81,32.3 47.86,32.35 47.89,32.36 47.93,32.37 47.96,32.37 47.99,32.36 48.02,32.35 48.05,32.32 48.07,32.3 48.08,32.27 48.09,32.24 48.09,32.2 48.08,32.17 48.07,32.14 48.03,32.09 48.01,32.06 48.01,32.02 48.01,31.99 48.01,31.96 48.03,31.93 48.05,31.9 48.07,31.88 48.1,31.87 48.12,31.86 48.15,31.86 48.18,31.87 48.2,31.88 48.25,31.92 48.27,31.93 48.3,31.94 48.33,31.94 48.36,31.93 48.38,31.92 48.4,31.9 48.44,31.87 48.46,31.84 48.47,31.82 48.47,31.79 48.47,31.76 48.47,31.74 48.46,31.71 48.42,31.67 48.41,31.64 48.4,31.61 48.4,31.59 48.41,31.56 48.42,31.53 48.44,31.51 48.7,31.25 v2(48.7,30.2)
/FPGA-DDR3L/A2: length 36.7
  Top w0.12: U11.P3 48.7,29.6 48.1,30.2 v2(47.9,30.2) ; U12.P3 48.7,18.2 48.1,18.8 v2(47.9,18.8)
  In2.Cu w0.12: v2(47.9,30.2) 47.9,24.55 48.28,24.17 48.28,20.47 48.7,20.05 48.7,19.4 48.1,18.8 v2(47.9,18.8)
  In5.Cu w0.12: v2(47.9,30.2) 47.9,31.3 47.5,31.7 47.2,31.7 46.7,32.2 46.7,32.8 45.7,33.8 45.35,33.8 45.32,33.8 45.28,33.79 45.26,33.77 45.23,33.74 45.21,33.72 45.2,33.68 45.2,33.65 45.2,32.95 45.2,32.92 45.19,32.88 45.17,32.86 45.14,32.83 45.12,32.81 45.08,32.8 45.05,32.8 45.02,32.8 44.98,32.81 44.96,32.83 44.93,32.86 44.91,32.88 44.9,32.92 44.9,32.95 44.9,33.65 44.9,33.68 44.89,33.72 44.87,33.74 44.84,33.77 44.82,33.79 44.78,33.8 44.75,33.8 44.72,33.8 44.68,33.79 44.66,33.77 44.63,33.74 44.61,33.72 44.6,33.68 44.6,33.65 44.6,33.55 44.6,33.52 44.59,33.48 44.57,33.46 44.54,33.43 44.52,33.41 44.48,33.4 44.45,33.4 44.42,33.4 44.38,33.41 44.36,33.43 44.33,33.46 44.31,33.48 44.3,33.52 44.3,33.55 44.3,33.65 44.3,33.68 44.29,33.72 44.27,33.74 44.24,33.77 44.22,33.79 44.18,33.8 44.15,33.8 42.82,33.8 42.62,34 40.35,34 39.3,32.95 37.5,32.95 37.4,32.85 37.38,32.83 37.35,32.82 37.33,32.81 37.3,32.81 37.27,32.82 37.25,32.83 37.2,32.87 37.18,32.88 37.15,32.89 37.12,32.89 37.09,32.88 37.07,32.87 37.05,32.85 37.01,32.81 36.99,32.79 36.98,32.77 36.98,32.74 36.98,32.71 36.98,32.68 36.99,32.66 37.01,32.64 37.24,32.41 37.26,32.38 37.28,32.35 37.28,32.32 37.28,32.29 37.28,32.25 37.26,32.22 37.24,32.2 37.21,32.17 37.18,32.16 37.15,32.15 37.12,32.15 37.09,32.16 37.06,32.17 37.03,32.2 36.99,32.23 36.97,32.25 36.94,32.27 36.9,32.27 36.87,32.27 36.84,32.27 36.81,32.25 36.78,32.23 36.35,31.8 35.8,31.8 35.45,31.45 35.45,30.75 v2(35.2,30.5)